# Altium PCB Tag201_GangProgrammerRev2.PcbDoc (part 1 of 7)
Units mil, origin at the board's own origin, x right, y up, seen from the top; angles counter-clockwise.
Board outline 10400 x 10885 mil, 4 copper layers (Top Layer, VCC, GND, Bottom Layer), stack 67.2 mil thick; 831 components, 394 nets, 2486 pads, 638 vias.
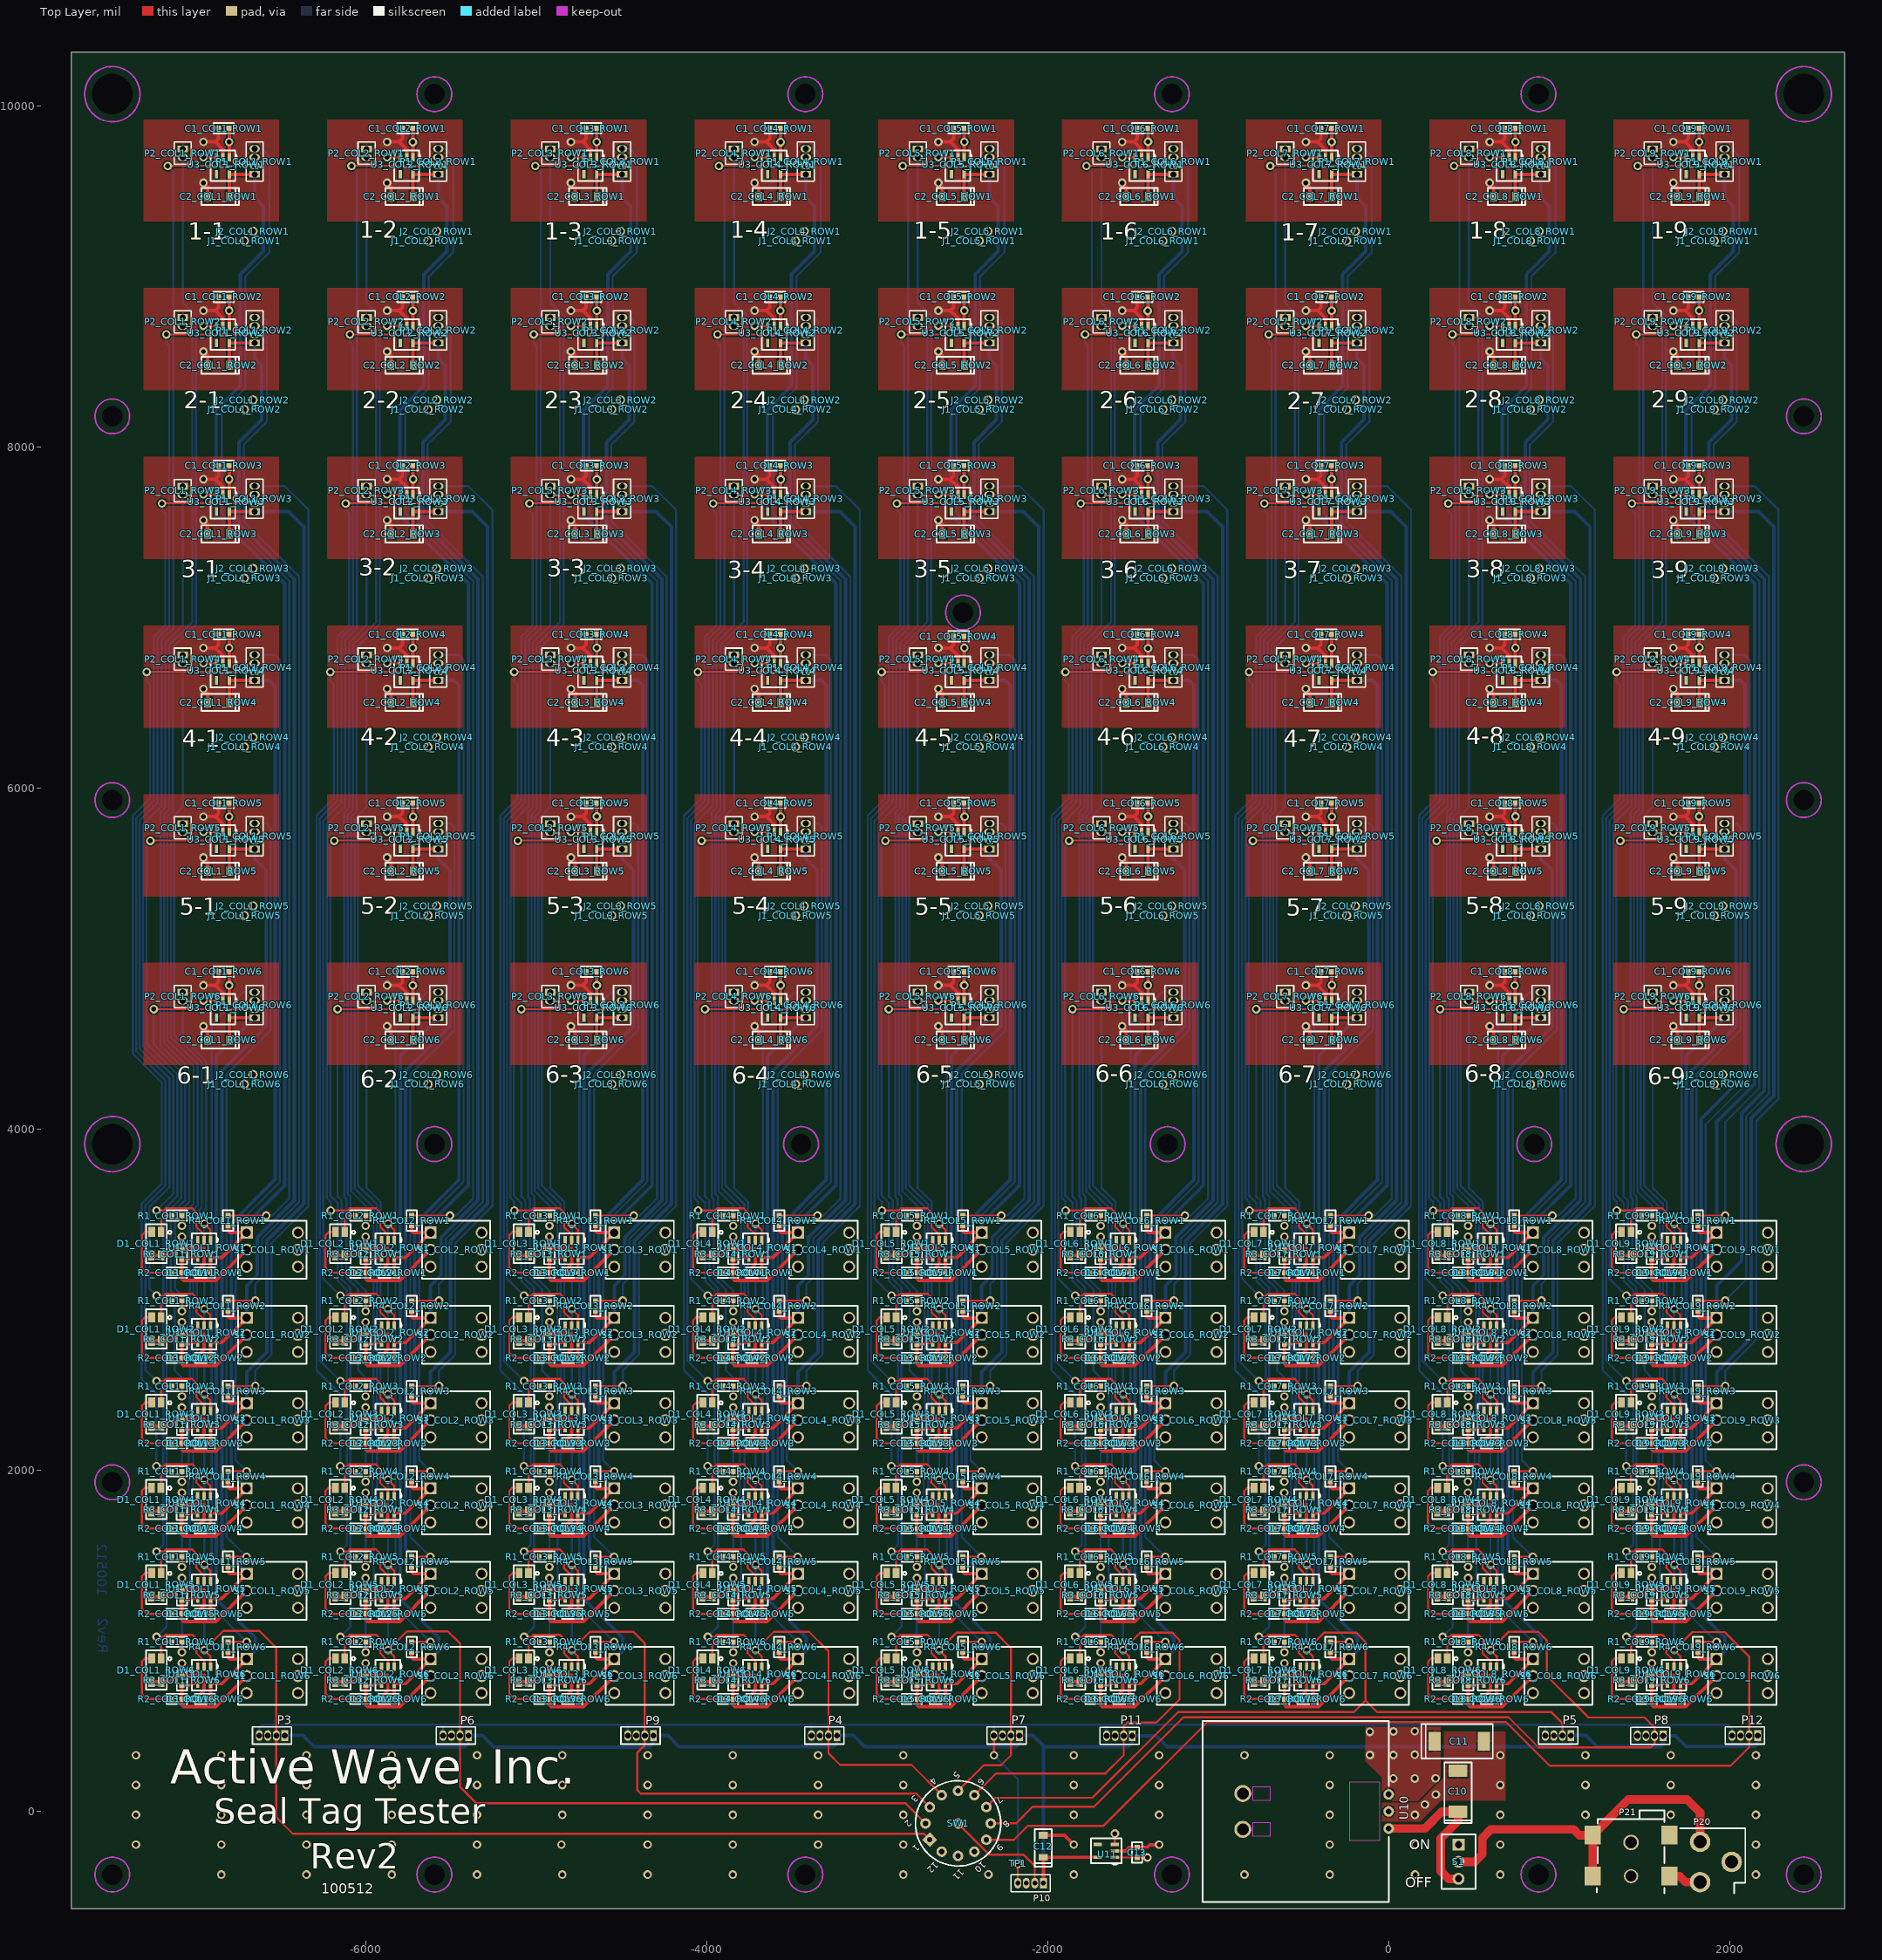
[diagram p0: Top Layer view]
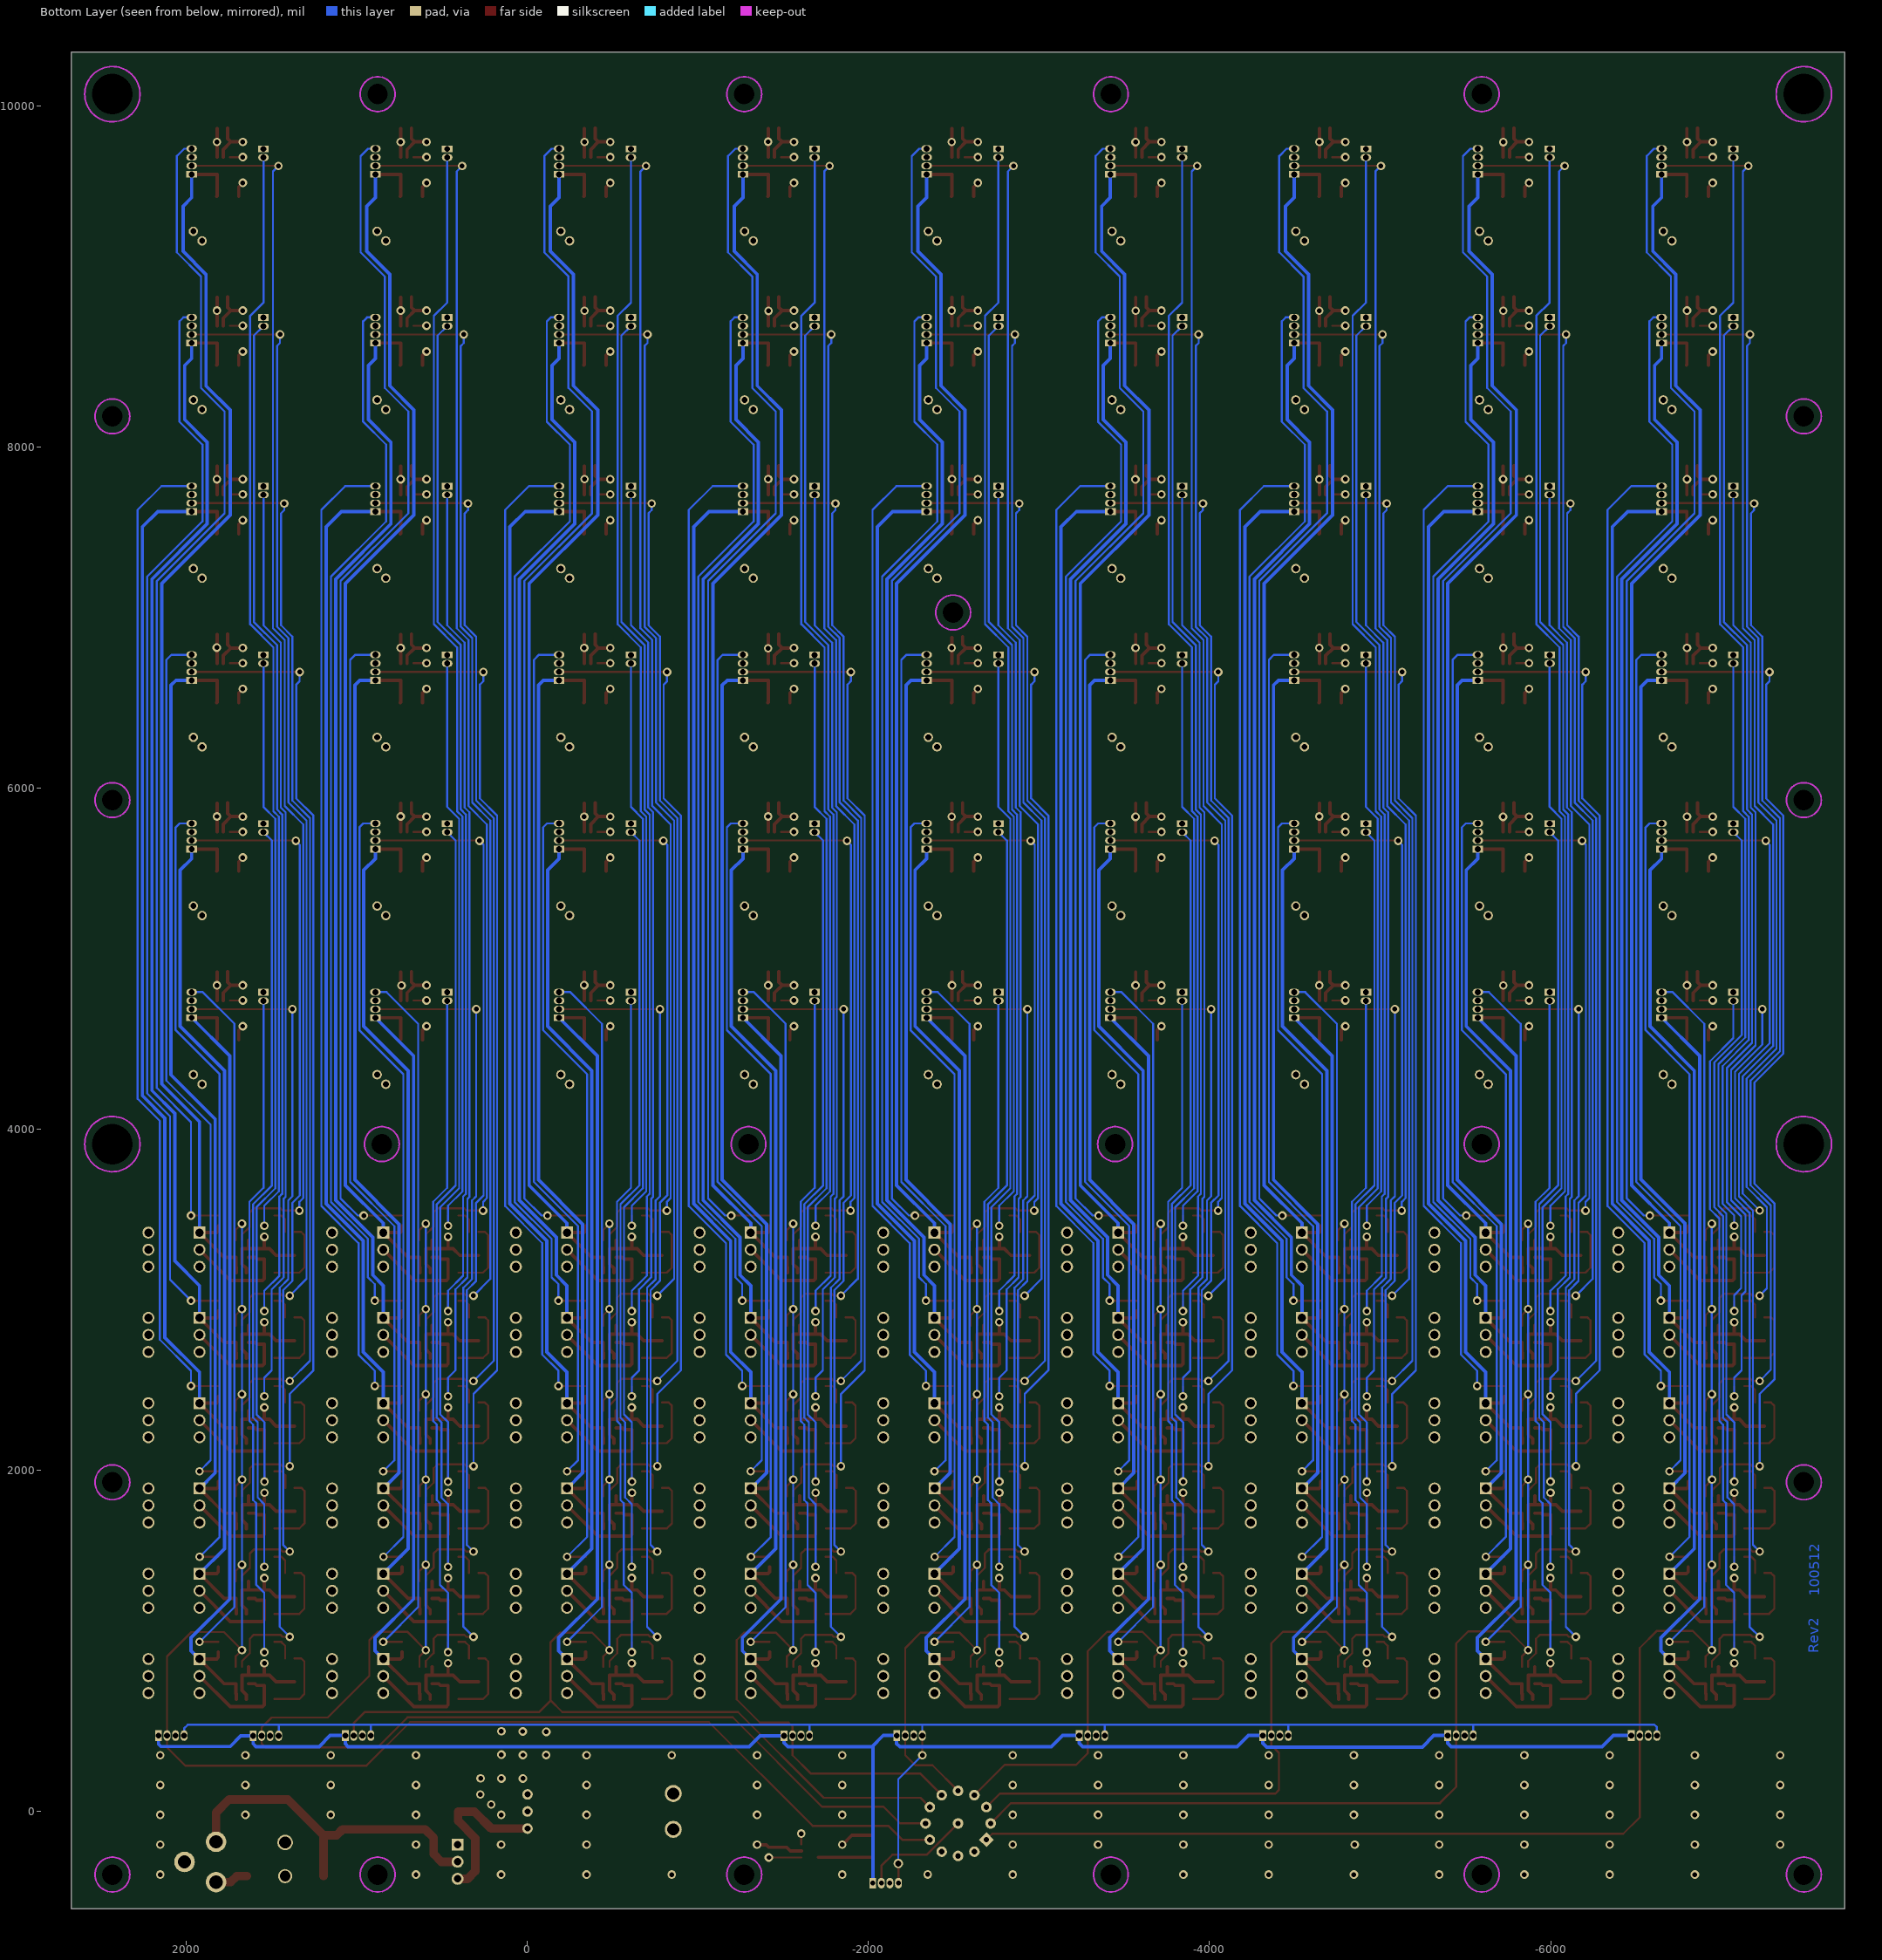
[diagram p1: Bottom Layer view, seen from below]
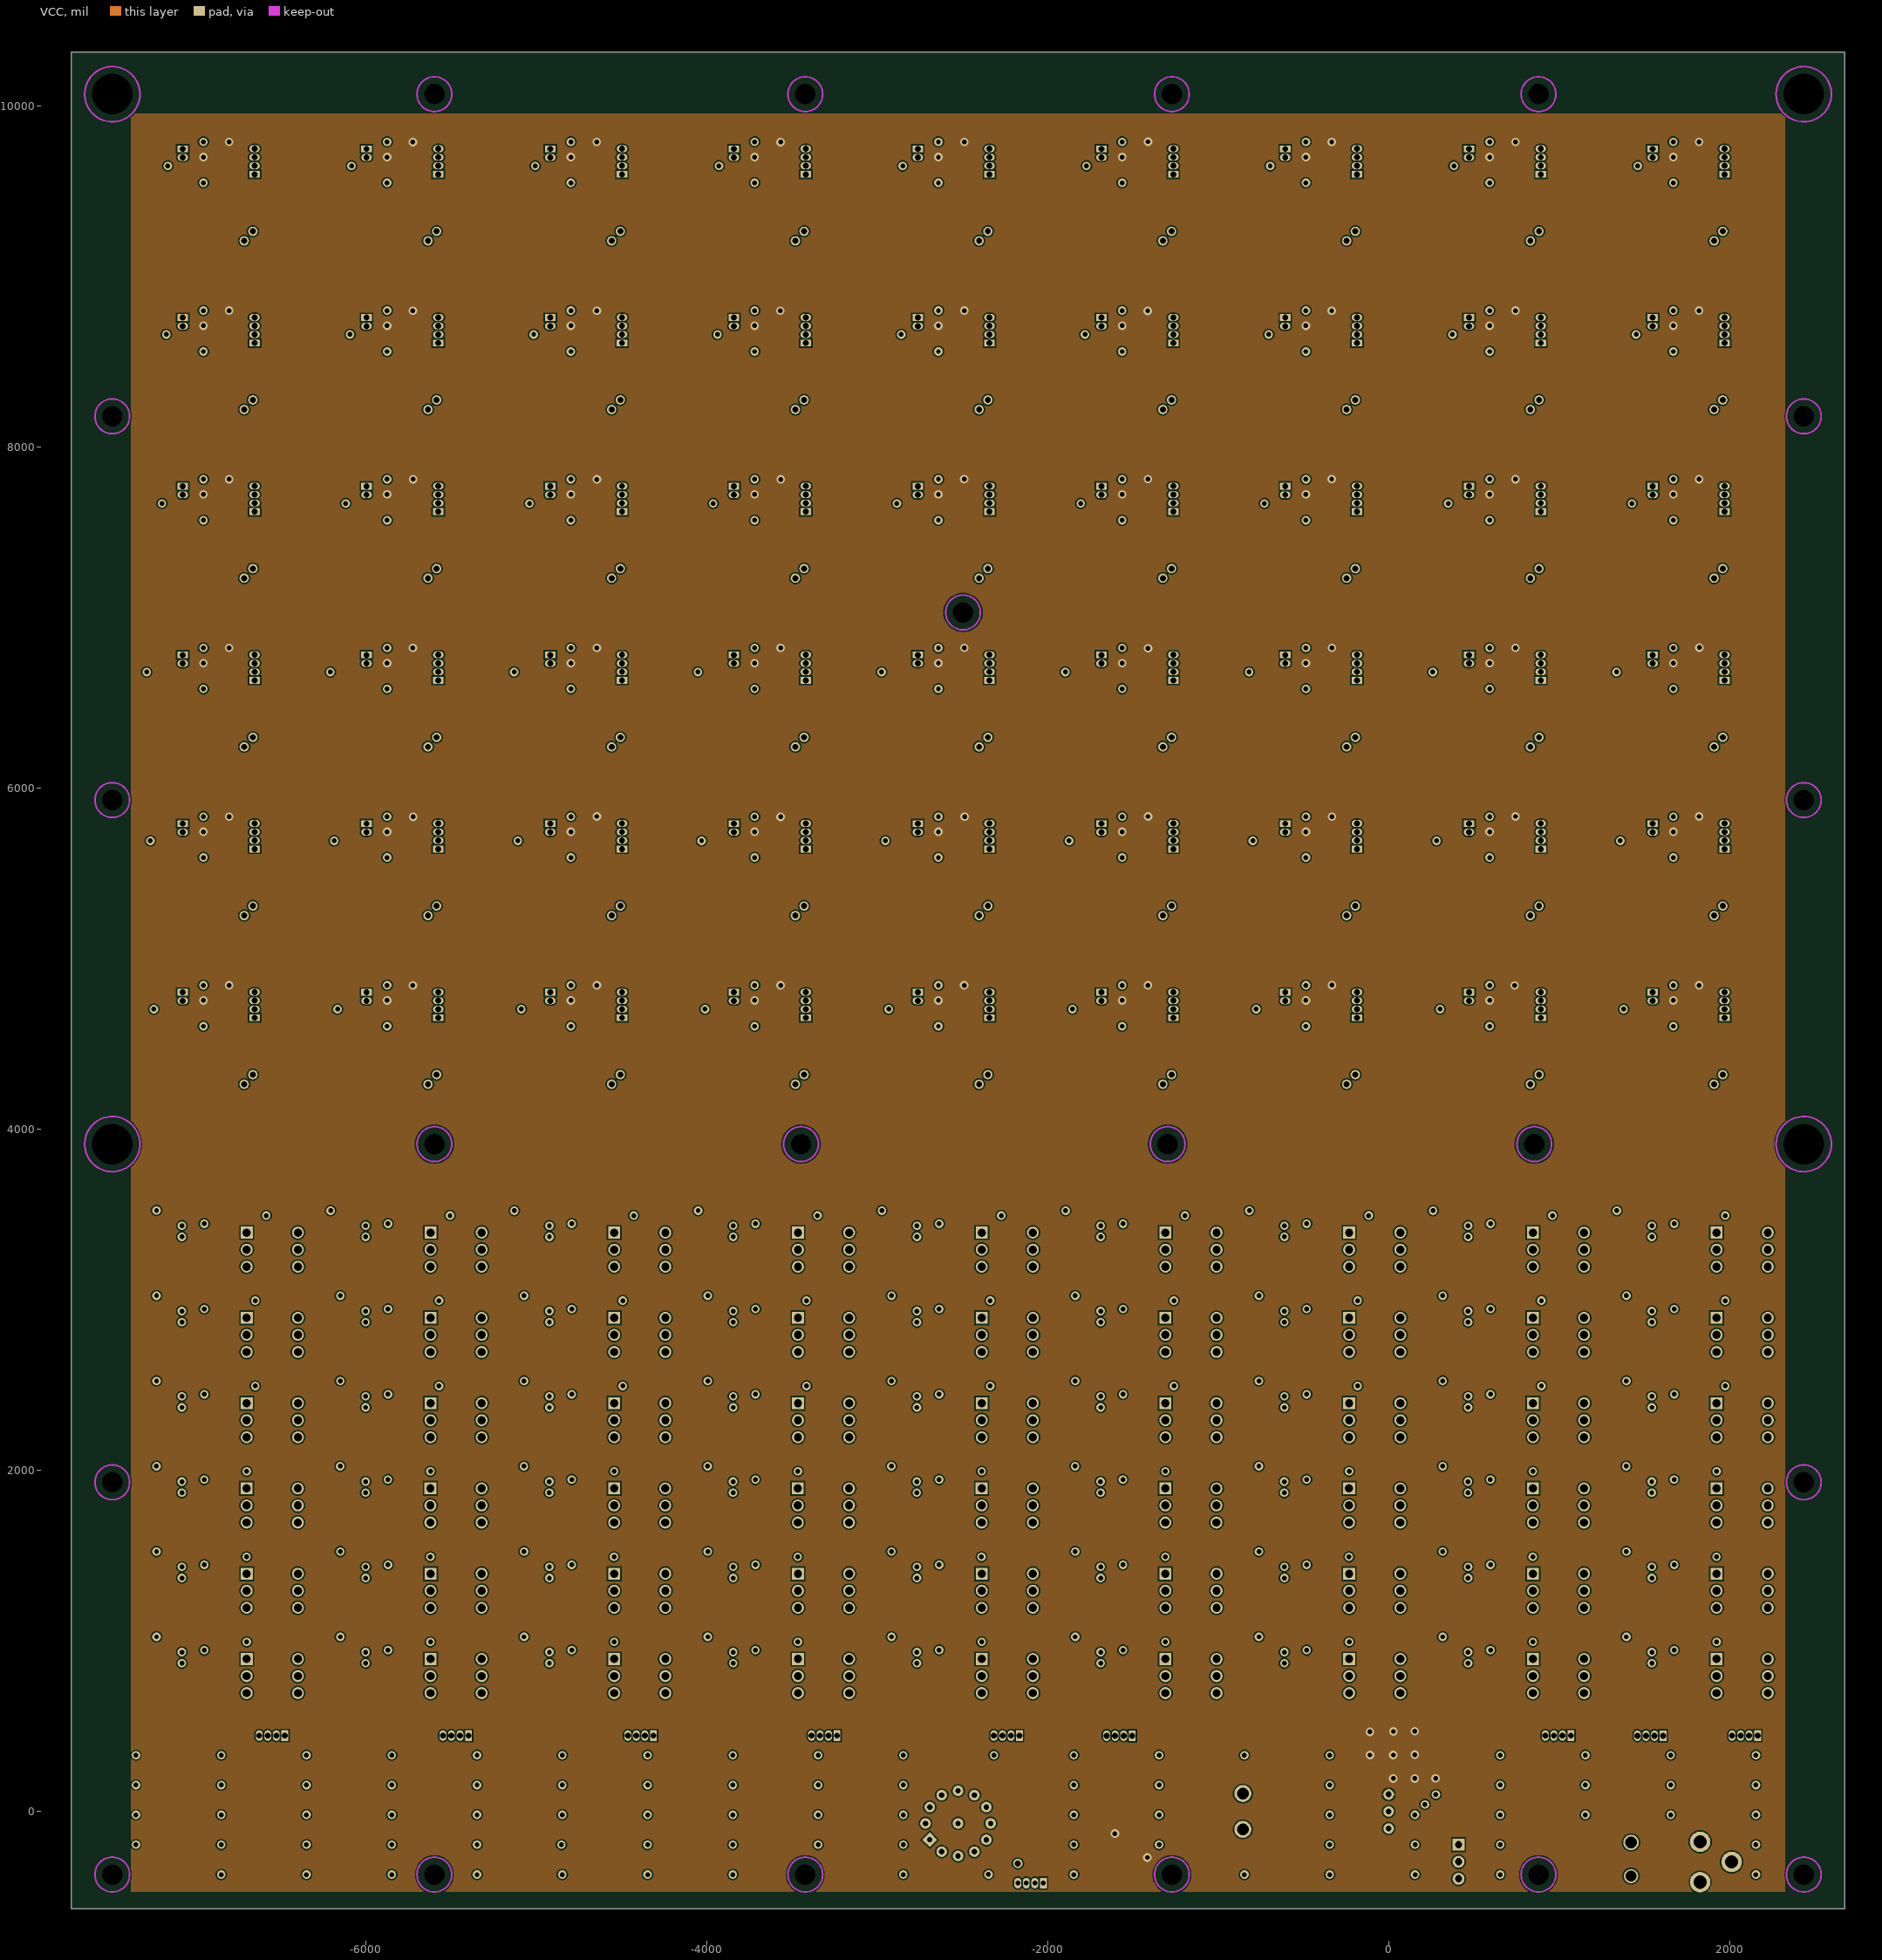
[diagram p2: VCC]